# KiCad board Entrex Trapezoid Processor Board v37.kicad_pcb (continued)
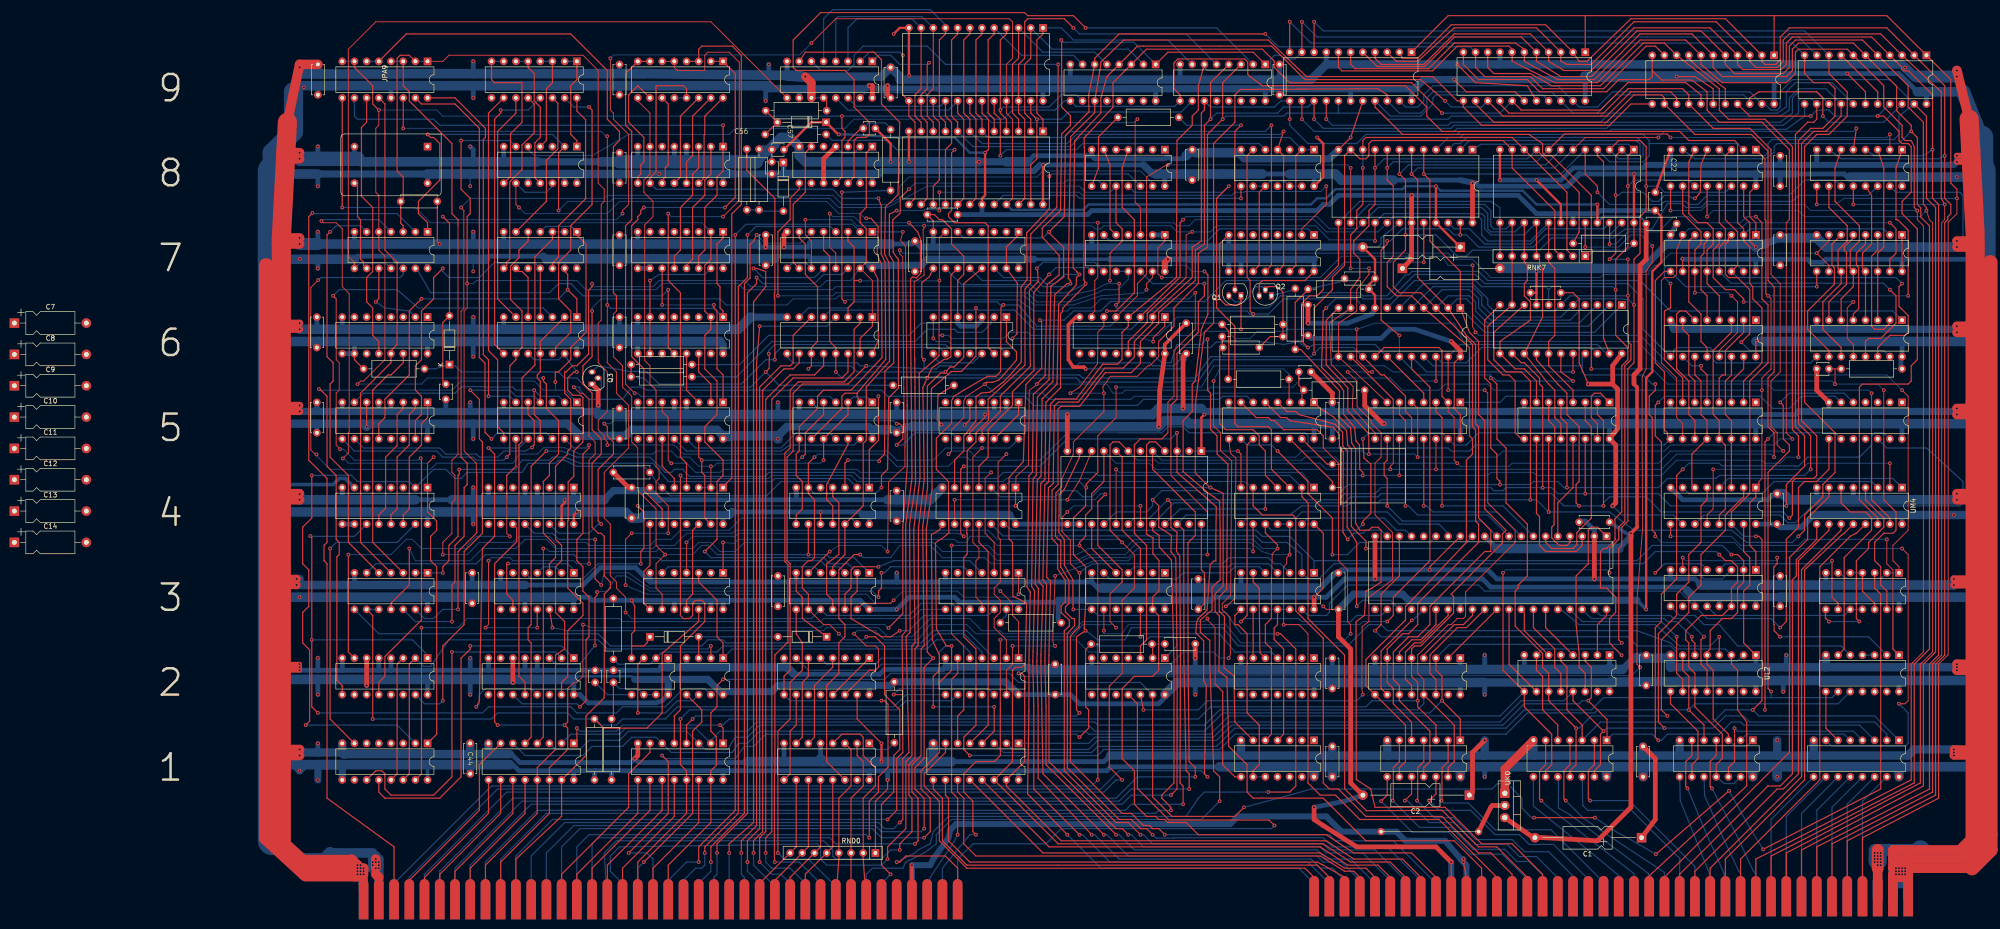
[diagram p0: board, top side]
## Routing (per net, layer and track width the routed paths; a pad name or vN(x,y) marks a point on that pad's centre or on a via; arc(x,y) is an arc through that point) (continued)
J18_9: length 96.9
  Top w0.25: J18.9 283.61,9.84 281.7,11.75 277.25,11.75 272.18,14.92 214.39,14.92 UE1.12
J18_10: length 387.4
  Top w0.25: UJ9.10 v1(268.37,188.28) ; UH9.6 246.77,174.94 246.77,169.86 245.5,168.59 245.5,166.69 242.33,163.51 242.21,134.94 UF6.4 232.17,124.78 230.87,123.48 230.87,117.83 229.88,116.84 226.93,116.84 226.89,116.88 225.63,115.28 221.34,109.6 217.03,109.6 217.02,109.61 215.98,108.57 215.92,106.5 215.64,96.01 215.59,93.71 215.59,92.34 215.19,92.01 214.78,91.62 214.37,71.93 215.15,70.96 214.86,58.43 214.79,54.91 215.02,45.4 215.02,33.34 v1(229.63,18.73)
  Bottom w0.25: UJ9.10 266.95,180.51 264.7,180.51 263.92,181.29 262.65,181.29 261.87,180.51 261.87,178.26 261.73,178.12 248.68,178.12 248.05,178.75 UH9.6 ; v1(229.63,18.73) 230.26,18.73 233.44,15.56 271.54,15.56 273.44,13.65 278.52,13.65 283.61,8.57 J18.10 ; UM9.10 371.87,185.1 271.54,185.1 v1(268.37,188.28)
J18_11: length 97.5
  Top w0.25: UE1.13 215.66,16.19 272.18,16.19 277.89,12.38 284.24,12.38 286.78,9.84 J18.11
J18_12: length 379.6
  Top w0.25: UH9.11 248.05,169.86 247.41,169.23 247.41,142.56 245.5,141.29 245.5,134.94 237.25,127.32 UF6.2 237.25,125.41 233.43,121.59 233.43,118.35 231.11,116.03 227.27,116.03 227.23,115.99 225.62,113.95 221.76,108.96 217.62,108.96 216.82,108.16 216.76,108.16 216.55,94.06 216.54,93.06 216.54,92.01 215.8,91.3 215.53,91.1 215.16,72.42 215.96,71.64 215.64,56.17 215.62,54.8 215.66,33.97 229.63,20 230.9,20 v1(232.17,18.73) ; 265.82,171.77 v1(265.82,167.96)
  Bottom w0.25: v1(265.82,167.96) 265.82,166.69 269.63,162.88 279.8,162.88 281.7,164.78 300.75,164.78 301.38,165.42 332.5,165.42 332.93,165.84 369.33,165.84 373.14,168.59 UM9.12 ; 249.31,170.5 UH9.11 ; 249.31,170.5 248.84,170.97 ; 249.31,170.5 262.65,170.5 263.92,171.77 265.82,171.77 ; J18.12 286.78,9.21 281.06,14.92 273.44,14.92 272.18,16.19 235.35,16.19 232.81,18.73 v1(232.17,18.73)
J18_13: length 296
  Top w0.25: v1(213.75,126.05) 214.11,125.69 214.11,120.94 214.14,116.05 213.22,115.13 210.84,112.62 210.3,96.58 207.32,93.19 207.32,80.41 208.04,79.69 208.13,68.46 210.99,67.04 210.7,54.38 209.94,53.66 208.68,53.66 208.04,53.02 208.04,33.97 UE1.14 217.56,16.83 272.81,16.83 278.52,13.02 286.78,13.02 289.95,9.84 J18.13 ; UJ8.20 v1(293.76,138.11)
  Bottom w0.25: v1(293.76,138.11) 291.23,138.11 290.59,138.75 287.42,138.75 286.78,138.11 277.25,138.11 273.44,134.3 252.49,134.3 248.05,129.86 247.95,129.95 228.45,129.95 226.45,127.95 220.74,127.95 218.83,126.05 v1(213.75,126.05)
J18_14: length 396.8
  Top w0.25: v1(234.71,18.73) 232.17,21.27 229.63,21.27 218.83,32.07 218.83,61.28 219.88,62.22 219.88,63.52 218.98,64.31 218.18,65.03 218.18,66.45 219.06,67.33 219.06,71.84 218.71,72.29 217.91,73.48 217.45,74.16 217.45,79.19 216.24,80.54 216.24,81.18 216.25,83.44 216.29,90.55 217.53,91.79 217.53,107.47 218.13,108.07 222.04,108.07 223.78,110.31 224.87,111.82 226.17,113.58 227.42,115.11 227.44,115.09 232.79,115.09 234.71,117.01 UF6.14 234.71,121.6 238.52,125.41 238.52,127.66 246.14,134.3 246.14,140.65 248.05,141.92 248.05,166.69 v1(249.31,167.96) 249.31,175.58 UH9.4 ; 270.9,171.77 v1(270.9,167.96)
  Bottom w0.25: J18.14 289.95,9.21 283.61,15.56 274.08,15.56 272.81,16.83 267.73,16.83 ; v1(249.31,167.96) 250.58,169.23 263.29,169.23 264.56,170.5 269.63,170.5 270.9,171.77 ; v1(234.71,18.73) 235.35,18.73 237.25,16.83 268.37,16.83 ; v1(270.9,167.96) 272.81,166.05 299.48,166.05 300.12,166.69 331.23,166.69 331.87,167.32 368.06,167.32 370.6,169.23 370.6,172.4 371.87,173.67 375.68,173.67 UM9.14
J18_15: length 364.6
  Top w0.2: v1(341.41,141.5) 341.41,138.13 340.12,136.21 340.12,115.89 339.29,114.21 339.27,104.37 339.39,82.75 338.21,67.63 338.21,54.29 v1(338.85,53.66)
  Top w0.25: J18.15 293.13,9.84 289.32,13.65 279.16,13.65 273.44,17.46 218.2,17.46 206.77,28.89 UE1.15 206.77,30.16 210.58,33.97 210.58,51.75 209.94,52.39 v1(209.31,52.39) ; UK8.20 v1(327.42,141.29)
  Bottom w0.2: v1(338.85,53.66) 337.09,51.9 274.5,51.9 209.94,51.75 v1(209.31,52.39) ; v1(341.41,141.5) 339.08,143.83 336.94,143.83 334.4,141.29 v1(327.42,141.29)
J18_16: length 423.5
  Top w0.2: 238.5,118.41 236.62,116.52 236.27,116.52 234.08,114.33 228.41,114.33 227.73,113.29 227.06,112.39 226.86,112.03 v1(227.09,110.81) 227.09,107 220.74,100.65 220.71,98.08 218.3,92.87 218.3,91.27 ; v1(220.11,110.81) 222.06,112.1 225.77,116.96 225.82,120.33 225.82,123.51 227.09,124.78 UF6.6 ; 238.5,118.43 238.5,121.58
  Top w0.25: 238.5,121.58 241.69,124.78 241.69,128.59 246.77,133.67 246.77,140.02 248.68,141.29 248.68,164.78 v1(251.86,167.96) 251.86,175.58 UH9.3 ; 218.3,91.27 217.09,89.99 217.06,86.41 217.06,86.31 217,80.97 218.12,79.94 218.08,74.62 219.81,71.7 219.79,66.95 219.08,66.24 219.07,65.19 220.45,63.81 220.96,63.81 220.98,62.35 219.45,60.66 219.45,54.31 219.47,54.29 219.47,32.7 230.26,21.91 232.81,21.91 234.71,20 235.98,20 v1(237.25,18.73)
  Bottom w0.2: v1(227.09,110.81) v1(220.11,110.81)
  Bottom w0.25: v1(237.25,18.73) 237.98,18.01 241.61,18.01 241.69,18.1 272.81,18.1 274.71,16.19 286.14,16.19 293.13,9.21 J18.16 ; v1(251.86,167.96) 252.49,168.59 264.56,168.59 265.19,169.23 275.99,169.23 ; 275.99,169.23 UJ9.16 ; 275.99,169.23 284.88,169.23 286.14,167.96 298.85,167.96 299.48,168.59 330.6,168.59 331.23,169.23 367.43,169.23 369.33,170.5 369.33,173.67 371.24,175.58 378.86,175.58 UM9.16
J18_17: length 161.7
  Top w0.25: J18.17 296.31,9.84 291.23,14.92 279.16,14.92 273.44,18.73 246.77,18.73 244.24,21.27 240.43,21.27 239.79,21.91 238.52,21.91 237.88,22.54 235.98,22.54 233.44,25.08 233.44,32.07 230.9,34.61 230.9,49.21 233.44,51.75 237.25,51.75 238.52,53.02 238.52,64.45 UF3.13 237.25,68.26 238.58,69.59 238.58,75.88 237.29,77.39 237.35,80.6 236.6,81.04 235.98,81.46 235.98,100.01 236.62,100.65 237.88,100.65 UF4.4
J18_18: length 210.5
  Top w0.2: v1(222.01,73.34) 220.11,75.25 220.11,80.18 218.37,81.92 218.37,84.94 v1(219.47,86.04) ; v1(234.71,87.31) UF4.19
  Top w0.25: v1(222.01,73.34) 222.01,72.07 221.95,62.01 221,61.13 220.11,60.04 220.11,33.97 230.9,23.18 232.81,23.18 235.35,20.64 236.62,20.64 237.25,20 238.52,20 v1(239.79,18.73)
  Bottom w0.2: v1(234.71,87.31) 220.74,87.31 v1(219.47,86.04)
  Bottom w0.25: v1(222.01,73.34) 223.28,74.36 224.74,75.25 251.86,75.25 253.12,76.52 261.38,76.52 262.65,75.25 263.92,75.25 UH3.3 ; v1(239.79,18.73) 274.08,18.73 275.35,17.46 287.42,17.46 296.31,8.57 J18.18
J18_23: length 423.4
  Top w0.25: v1(376.95,168.59) 376.95,172.4 375.68,173.67 363.62,173.67 361.71,172.4 UL9.20 ; 246.14,105.09 246.14,94.18 249.19,91.13 250.98,90.39 251.95,89.92 251.95,70.62 250.27,68.94 250.27,65.27 251.16,64.38 251.16,58.29 251.06,52.82 252.73,51.53 253.12,37.15 256.94,33.34 256.94,27.62 258.2,26.35 272.81,26.35 281.7,17.46 300.12,17.46 305.83,11.75 J18.23 ; 286.14,171.77 286.14,173.04 284.24,174.31 255.52,174.16 254.39,173.04 254.39,167.32 249.95,162.88 249.95,125.41 248.05,123.51 246.21,108.9 246.14,104.46
  Bottom w0.25: UE4.3 205.5,89.22 216.93,89.22 218.2,90.49 221.38,90.49 222.64,89.22 224.55,89.22 226.45,91.12 v1(249.31,91.12) ; v1(376.95,168.59) 378.22,167.32 389.65,167.32 UM9.20 ; UL9.20 361.71,171.77 360.44,173.04 333.77,173.04 329.96,169.23 324.88,169.23 UK9.20 320.44,173.67 295.67,173.67 294.4,172.4 294.4,170.5 293.13,169.23 288.69,169.23 286.14,171.77
J18_25: length 437.2
  Top w0.2: v1(265.82,77.15) 265.19,76.52 265.19,75.25 264.56,74.61 v1(264.56,62.55) 267.73,62.55 269.63,60.64 269.63,53.66 ; v1(110.25,78.42) 110.25,66.36
  Top w0.25: 110.25,66.36 110.25,39.05 UB1.4 ; 269.63,53.66 269.63,29.53 272.18,26.99 275.35,26.99 280.43,21.91 296.94,21.91 309,9.84 J18.25 ; UK6.18 v1(324.88,115.25) ; v1(286.14,63.18) 287.42,64.45 287.42,68.26 295.04,75.88 295.04,112.08 291.23,115.89 UJ6.18 ; UH4.12 v1(265.82,77.15)
  Bottom w0.2: v1(265.82,77.15) 262.01,77.15 260.11,77.79 257.57,79.69 234.07,79.69 231.54,77.15 223.92,77.15 221.38,75.88 204.87,75.88 202.96,77.79 193.44,77.79 191.53,79.69 152.16,79.69 150.25,77.79 147.08,77.79 145.18,79.69 142.63,79.69 141.37,78.42 134.38,78.42 133.75,77.79 111.52,77.79 110.88,78.42 v1(110.25,78.42) ; v1(286.14,63.18) 281.06,63.18 280.43,62.55 v1(264.56,62.55)
  Bottom w0.25: UH4.11 UH4.12 ; v1(324.88,115.25) 294.4,115.25 UJ6.18
J18_27: length 314.8
  Top w0.25: J18.27 312.18,10.48 307.74,14.92 305.19,14.92 297.57,22.54 281.7,22.54 275.99,28.26 274.08,28.26 272.81,29.53 272.81,59.69 267.1,65.4 267.1,84.77 266.46,85.41 260.11,85.41 258.2,87.31 UH4.6 ; v1(138.82,93.66) 138.82,64.45 139.46,63.82 140.73,63.82 141.37,64.45 141.37,66.99 142,67.63 143.27,67.63 143.91,66.99 143.91,63.18 138.82,58.1 138.82,44.77 137.56,43.5 UC1.5
  Bottom w0.2: UH4.6 256.3,92.39 224.55,92.39 223.92,93.03 206.77,93.03 206.13,92.39 175.66,92.39 174.38,93.66 157.88,93.66 157.24,93.03 139.46,93.03 v1(138.82,93.66)
J18_29: length 343.4
  Top w0.25: UB1.5 107.71,39.05 107.71,58.74 107.07,59.37 107.07,61.91 107.71,62.55 107.71,88.58 ; UH4.2 268.37,89.22 269.66,87.92 269.66,83.53 269.63,83.5 269.63,63.82 277.25,56.2 277.25,54.29 277.28,28.3 281.83,23.73 297.57,23.81 305.19,16.19 309,16.19 315.36,9.84 J18.29 ; v1(110.88,98.74) 107.71,95.57 107.71,87.95
  Bottom w0.25: UH4.2 265.82,93.66 225.82,93.66 225.19,94.3 206.13,94.3 204.87,93.03 176.29,93.03 175.02,94.3 157.24,94.3 156.4,93.45 140.73,93.45 139.46,94.72 139.46,94.93 137.56,94.93 136.92,94.3 135.65,94.3 135.65,94.3 132.48,97.47 117.24,97.47 114.06,98.74 v1(110.88,98.74)
J18_30: length 46.9
  Top w0.25: UJ1.8 286.14,26.99 v1(284.88,25.72)
  Bottom w0.25: J18.30 315.36,9.46 310.15,14.67 303.54,14.67 298.97,19.24 291.35,19.24 v1(284.88,25.72)
J18_31: length 178.3
  Top w0.25: R9.1 269.63,132.4 266.97,129.73 266.97,119.95 268.11,119.95 276.2,111.27 276.14,105.9 278.52,103.52 278.74,100.44 279.57,99.21 279.55,83.73 280.43,82.23 282.33,82.23 282.97,82.87 284.24,82.87 284.88,82.23 284.88,71.44 282.97,70.17 281.7,69.53 281.41,64.47 279.65,63.17 279.71,30.22 282.71,28.27 283.61,24.45 298.21,24.45 305.83,16.83 312.18,16.83 318.53,10.48 J18.31
  Bottom w0.25: C51.1 277.04,134.72 276.35,134.03 R9.1
J18_32: length 55.8
  Top w0.25: UJ1.6 288.69,33.97 287.42,32.7 287.42,25.97 v1(287.29,25.84)
  Bottom w0.25: v1(287.29,25.84) 292.88,20.26 299.48,20.26 304.05,15.68 310.66,15.68 313.2,13.14 315.74,13.14 318.53,10.35 J18.32
J18_34: length 48.4
  Top w0.25: UJ1.10 291.23,27.24 v1(289.83,25.84)
  Bottom w0.25: v1(289.83,25.84) 290.34,25.84 294.91,21.27 299.99,21.27 304.56,16.7 311.16,16.7 313.7,14.16 317.26,14.16 321.7,9.72 J18.34
J18_36: length 56.9
  Top w0.25: UJ1.4 293.76,33.97 292.5,32.7 292.5,25.97 v1(292.37,25.84)
  Bottom w0.25: J18.36 324.88,10.1 319.8,15.18 314.72,15.18 312.18,17.72 304.56,17.72 299.99,22.29 295.92,22.29 v1(292.37,25.84)
J18_38: length 49.5
  Top w0.25: v1(294.91,25.84) 296.31,27.24 UJ1.12
  Bottom w0.25: v1(294.91,25.84) 296.94,23.81 303.54,23.81 308.62,18.73 313.7,18.73 315.74,16.7 320.82,16.7 328.06,9.46 J18.38
J18_40: length 57.4
  Top w0.25: v1(297.45,25.84) 297.57,25.97 297.57,32.7 298.85,33.97 UJ1.2
  Bottom w0.25: J18.40 331.23,8.83 320.31,19.75 308.62,19.75 303.04,25.34 297.96,25.34 v1(297.45,25.84)
J18_42: length 33.9
  Bottom w0.25: J18.42 334.4,10.22 328.44,15.18 325.9,17.21 316.62,24.7 UK1.8
J18_44: length 43.1
  Top w0.25: UK1.6 319.17,33.34 317.89,32.07 317.89,26.23 v1(318.28,25.84)
  Bottom w0.25: J18.44 337.58,10.6 319.29,24.83 v1(318.28,25.84)
J18_45: length 493.8
  Top w0.2: v1(229.63,112.08) 229.63,105.73 225.82,101.92 225.82,96.84
  Top w0.25: v1(141.37,42.86) 140.09,41.59 UC1.4 ; UJ6.20 v1(296.31,113.35) ; v1(222.01,44.13) 221.38,44.77 221.38,60.01 v1(223.28,61.28) 222.99,61.82 223.28,66.7 223.28,74.61 220.74,77.15 220.74,84.77 223.28,87.31 223.28,90.97 v1(223.4,91.1) 223.4,91.88 225.82,94.3 225.82,96.84 ; J18.45 340.75,10.16 361.07,28.89 361.07,42.23 359.17,44.77 359.17,53.02 357.9,54.29 UL2.3
  Bottom w0.2: v1(296.31,113.35) 291.23,113.35 289.32,115.25 287.42,115.25 285.51,116.52 249.95,116.52 247.41,112.08 v1(229.63,112.08)
  Bottom w0.25: UE4.2 207.41,92.39 222.01,92.39 223.28,91.12 ; UJ6.20 297.57,117.16 302.65,117.16 305.83,120.33 328.69,120.33 UK6.20 ; v1(141.37,42.86) 142,43.5 221.38,43.5 v1(222.01,44.13) ; v1(223.28,61.28) 225.82,59.37 231.54,59.37 232.81,61.91 251.86,61.91 255.03,58.18 256.3,58.1 277.89,58.1 282.33,62.55 284.88,62.55 286.14,61.28 338.21,61.28 345.2,58.74 346.47,57.47 356.63,57.47 UL2.3
J18_46: length 35
  Bottom w0.25: UK1.10 321.83,30.67 321.83,24.32 324.37,22.8 340.63,10.6 J18.46
J18_47: length 100
  Top w0.25: J18.47 343.93,9.84 369.96,35.88 369.96,54.29 370.06,54.38 370.06,76.43 369.96,76.52 373.77,80.33 373.77,84.77 378.22,89.22 UM4.7
J18_48: length 44.2
  Top w0.25: v1(323.36,25.84) 322.98,26.23 322.98,32.07 324.25,33.34 UK1.4
  Bottom w0.25: v1(323.36,25.84) 326.91,22.29 330.47,19.75 343.93,10.86 J18.48
J18_49: length 91.4
  Top w0.25: J18.49 347.11,10.48 365.52,28.89 368.06,28.89 370.6,31.43 370.6,54.93 370.6,54.93 370.6,71.89 371.42,72.71 371.42,76.07 375.68,80.33 UM4.9
J18_50: length 39.2
  Bottom w0.25: J18.50 347.11,13.53 347.23,13.65 337.07,23.81 327.93,23.81 326.91,24.83 UK1.12
J18_51: length 90.4
  Top w0.25: UM4.10 378.22,82.23 371.87,75.88 371.87,31.43 368.69,28.26 367.43,28.26 350.28,11.11 J18.51
J18_52: length 47.5
  Top w0.25: UK1.2 329.32,33.34 328.06,32.07 328.06,26.23 v1(328.44,25.84)
  Bottom w0.25: J18.52 350.28,12.13 336.56,25.84 v1(328.44,25.84)
J18_53: length 89.4
  Top w0.25: J18.53 353.45,11.75 372.5,30.8 372.5,73.98 380.76,82.23 UM4.11
J18_54: length 26.6
  Bottom w0.25: J18.54 353.33,5.52 353.33,10.6 347.23,25.84 UL1.8
J18_55: length 89.4
  Top w0.25: J18.55 356.63,13.65 373.14,30.16 373.14,73.98 380.86,81.21 381.39,81.6 UM4.12
J18_56: length 35.4
  Top w0.25: 349.64,38.42 349.64,35.24 348.38,33.97 348.38,28.77 v1(348.76,28.38)
  Bottom w0.25: J18.56 356.38,5.65 356.38,10.6 352.31,19.75 v1(348.76,28.38)
J18_57: length 89.1
  Top w0.25: UM4.13 383.94,81.6 383.5,81.41 382.67,80.96 376.31,74.61 376.31,30.16 359.81,13.65 J18.57
J18_58: length 27.1
  Bottom w0.25: J18.58 359.81,10.73 359.42,11.11 355.87,18.73 352.31,26.86 UL1.10
J18_59: length 392.2
  Top w0.2: v1(396.63,148.91) 396.63,147 397.9,145.73 397.9,56.83 395.67,54.59
  Top w0.25: J18.59 362.98,13.65 366.79,15.56 395.37,30.16 395.37,54.29 395.68,54.61 ; UJ9.7 275.99,178.75 276.7,178.04 295.59,178.04 300.75,183.2 311.55,183.2 312.18,182.56 UK9.7 312.18,180.02 321.07,175.58 329.96,175.58 338.85,184.47 348.38,184.47 UL9.7 351.55,179.39 356,175.58 369.33,175.58 371.24,177.48 371.24,181.93 371.87,182.56 382.03,182.56 UM9.7 389.65,174.94 389.65,170.5 393.46,166.69 393.46,164.15 394.1,163.51 395.37,163.51 396,162.24 396,149.54 v1(396.63,148.91) ; UL8.9 v1(345.2,148.91)
  Bottom w0.2: v1(345.2,148.91) 351.55,148.91 352.82,150.18 373.14,150.18 374.41,148.91 v1(396.63,148.91)
J18_60: length 36
  Top w0.25: UL1.4 354.73,35.24 353.45,33.97 353.45,28.77 v1(353.84,28.38)
  Bottom w0.25: v1(353.84,28.38) 358.92,18.73 362.47,11.11 362.98,10.6 J18.60
J18_61: length 384.2
  Top w0.25: J18.61 366.15,14.29 396,29.53 396,54.29 399.18,57.47 399.18,145.73 397.36,147.55 397.36,149.45 396.63,150.18 396.63,164.15 v1(395.37,165.42) 395.37,166.69 392.33,169.72 392.33,174.8 UM9.6 383.3,183.83 371.87,183.83 370.6,182.56 370.6,178.12 369.33,176.85 356,176.85 354.09,178.75 UL9.6 349.64,185.74 338.85,185.74 329.32,176.21 321.7,176.21 314.72,180.02 UK9.6 314.72,182.56 312.81,183.83 300.12,183.83 294.77,178.49 279.43,178.49 278.52,179.39 278.52,181.93
  Bottom w0.25: UL8.7 350.28,159.7 364.88,159.7 366.79,160.97 366.79,162.24 367.43,162.88 392.82,162.88 v1(395.37,165.42)
J18_62: length 29.1
  Bottom w0.25: UM1.9 366.15,21.91 J18.62
J18_63: length 382.9
  Top w0.2: v1(398.54,148.91) 399.18,147 399.81,146.37 399.81,56.83 397.57,54.59
  Top w0.25: v1(398.54,148.91) 398.54,149.54 397.9,150.18 397.9,167.32 394.73,170.5 394.73,174.94 UM9.5 385.2,184.47 371.24,184.47 369.96,183.2 369.96,178.75 368.69,177.48 358.54,177.48 356.63,179.39 UL9.5 351.55,186.37 338.21,186.37 328.69,176.85 322.34,176.85 317.26,180.02 UK9.5 314.08,185.1 300.12,185.1 293.95,178.94 284.06,178.94 UJ9.5 ; J18.63 369.33,14.92 397.27,29.53 397.27,54.29 397.27,54.29 397.57,54.59 ; UL8.12 v1(352.82,147.64)
  Bottom w0.2: v1(352.82,147.64) 354.09,148.91 371.87,148.91 373.14,147.64 397.27,147.64 v1(398.54,148.91)
J18_64: length 28.8
  Bottom w0.25: J18.64 369.33,22.54 UM1.10
J18_65: length 354.6
  Top w0.25: UM9.21 398.54,168.59 398.54,151.45 400.44,149.54 400.44,56.83 397.9,54.29 397.9,28.89 372.5,15.56 J18.65
  Bottom w0.25: UL8.4 356.63,160.34 364.88,160.34 365.52,160.97 365.52,162.88 366.37,163.72 391.76,163.72 392.82,164.78 392.82,168.59 UM9.21 390.92,176.21 370.6,176.21 368.06,173.67 368.06,170.5 367.43,169.86 366.15,169.86 364.88,171.13 UL9.21 361.71,173.67 333.13,173.67 329.96,170.5 326.15,170.5 UK9.21 321.7,174.94 295.67,174.94 293.76,173.04 293.76,171.77 292.5,170.5 289.95,170.5 UJ9.21
J18_66: length 28.6
  Bottom w0.25: UM1.11 372.5,23.18 J18.66
J18_67: length 341.7
  Top w0.25: J18.67 375.68,16.19 399.18,28.26 399.18,54.3 401.08,56.2 401.08,56.2 401.08,150.18 399.81,151.45 v1(399.81,161.61) 399.81,172.4 399.81,172.4 399.81,173.04 394.82,178.03 393.79,178.03 393.37,178.45 393.37,178.84 UM9.4 387.11,185.1 370.6,185.1 369.33,183.83 369.33,179.39 368.25,178.3 360.25,178.3 359.17,179.39 UL9.4 353.45,187.01 337.58,187.01 328.69,178.12 322.98,178.12 319.8,180.02 UK9.4 315.99,185.74 300.12,185.74 293.76,179.39 284.88,179.39 283.61,180.66 UJ9.4
  Bottom w0.25: v1(399.81,161.61) 397.9,160.34 387.75,160.34 UM8.4
J18_68: length 28.3
  Bottom w0.25: UM1.12 375.68,23.81 J18.68
J18_69: length 347
  Top w0.2: v1(402.35,150.18) 402.35,147 401.71,146.37 401.71,56.2 400.11,54.59
  Top w0.25: 400.11,54.59 399.81,54.3 399.81,27.62 378.86,16.83 J18.69 ; UM8.12 v1(383.3,150.18) ; 286.14,181.93 288.05,180.02 292.5,180.02 300.12,187.01 317.26,187.01 UK9.3 322.34,180.02 323.61,179.39 328.69,179.39 337.58,188.28 354.73,188.28 UL9.3 361.71,180.02 362.98,178.75 367.43,178.75 368.69,180.02 368.69,184.47 369.96,185.74 389.01,185.74 UM9.3 401.62,173.67 401.62,151.45 v1(402.35,150.18)
  Bottom w0.2: v1(402.35,150.18) v1(383.3,150.18)
J18_70: length 28
  Bottom w0.25: J18.70 378.86,24.45 UM1.13
J18_71: length 347.5
  Top w0.25: J18.71 382.03,17.46 400.44,26.99 400.44,54.29 402.35,56.2 402.35,56.2 402.35,146.37 402.99,147 402.99,147.64 403.62,148.27 403.62,150.18 402.35,151.45 v1(402.35,160.34) 402.35,174.94 UM9.2 390.29,187.01 369.96,187.01 368.06,185.1 368.06,180.31 367.13,179.39 364.88,179.39 364.25,180.02 UL9.2 356.63,188.91 336.94,188.91 327.76,180.02 326.15,180.02 UK9.2 319.17,187.64 299.48,187.64 292.5,180.66 289.32,180.66 UJ9.2
  Bottom w0.25: UM8.7 380.76,159.7 401.08,159.7 v1(402.35,160.34)
J18_72: length 27.8
  Bottom w0.25: UM1.14 382.03,25.08 J18.72
J18_73: length 352.9
  Top w0.2: 401.08,54.29 403.08,56.29 403.08,146.46 404.89,148.27 v1(404.89,151.45)
  Top w0.25: 327.42,189.55 390.29,189.55 UM9.1 403.62,176.21 403.62,154.62 404.89,153.35 v1(404.89,151.45) ; 327.42,189.55 UK9.1 ; 327.42,189.55 298.85,189.55 UJ9.1 ; 366.79,189.55 UL9.1 ; 401.08,54.29 401.08,26.35 385.2,18.1 J18.73 ; UM8.9 v1(375.68,150.18)
  Bottom w0.2: v1(375.68,150.18) 379.49,150.18 381.39,151.45 v1(404.89,151.45)
J18_74: length 27.5
  Bottom w0.25: J18.74 385.2,25.72 UM1.15
JPA9_1: length 288.4
  Top w0.2: v1(201.69,99.38) 199.78,97.47 199.78,79.69 201.06,78.42 201.06,76.52 200.42,75.88 200.42,68.26 201.69,66.99 UE3.11 ; JPA9.1 89.29,180.02 90.56,181.29 118.5,181.29 121.68,178.12 121.68,154.62 122.95,153.35 122.95,150.81 122.31,150.18 122.31,126.05 121.68,125.41 121.68,117.16 123.59,115.25 123.59,107 121.68,105.09 121.68,103.19 122.95,101.92 122.95,101.28 123.59,100.65 v1(123.59,100.01)
  Top w0.25: JPA9.2 82.31,181.29 80.41,181.29 79.77,180.66 79.77,157.16 81.04,155.89 81.04,151.32 C64.1 80.53,146.24 81.04,145.73 UA7.3
  Bottom w0.2: 208.04,100.01 207.41,99.38 v1(201.69,99.38) 194.07,99.38 191.53,96.84 183.91,96.84 182,98.74 161.69,98.74 161.05,98.11 139.46,98.11 137.56,100.01 v1(123.59,100.01)
  Bottom w0.25: JPA9.2 JPA9.1 ; UE5.14 208.04,100.01
JPA9_4: length 203.6
  Top w0.2: 92.47,145.73 92.47,98.07 91.23,96.84 91.2,96.84 91.2,94.3 91.84,93.66 91.84,88.58 91.2,87.95 91.2,81.6 89.29,79.69 v1(89.29,77.15)
  Top w0.25: 92.47,145.73 92.47,147 91.2,148.27 91.2,162.88 82.31,171.77 82.31,173.67 81.04,174.94 JPA9.3
  Bottom w0.2: v1(89.29,77.15) 94.38,77.15 96.91,79.69 103.9,79.69 105.17,80.96 111.52,80.96 112.79,79.69 119.14,79.69 119.78,79.06 132.47,79.06 133.75,80.33 136.92,80.33 138.82,82.23 148.99,82.23 151.53,84.77
  Bottom w0.25: UD4.13 174.38,84.77 151.53,84.77 ; JPA9.4 JPA9.3
JPA9_5: length 228
  Top w0.2: UC3.9 135.01,68.9 133.75,70.17 133.75,75.25 v1(135.65,77.15) 133.75,79.06 133.75,86.68 129.94,90.49 129.94,99.38 128.66,100.65 128.66,110.17 126.76,112.08 126.76,116.52 124.85,118.43 124.85,127.32 125.49,127.95 125.49,128.59
  Top w0.25: JPA9.5 81.68,185.74 115.97,185.74 123.59,178.12 123.59,167.96 126.12,165.42 126.12,163.51 124.85,162.24 124.85,131.76 125.49,131.13 125.49,128.59 ; UD4.9 v1(165.5,77.15)
  Bottom w0.2: v1(135.65,77.15) 141.37,77.15 143.27,79.06 144.54,79.06 146.44,77.15
  Bottom w0.25: UD3.1 175.02,76.52 169.94,76.52 169.31,77.15 146.44,77.15 ; JPA9.6 JPA9.5
JPA9_7: length 570.4
  Top w0.2: v1(71.52,112.71) 72.15,113.35 72.78,113.35 77.23,117.79 77.23,139.38 75.96,140.65 UA7.5 75.96,152.08 75.33,152.72 75.33,166.05 75.96,166.69 v1(75.96,169.86)
  Top w0.25: 242.96,171.77 242.96,173.04 241.69,174.31 241.69,179.71 242.5,180.51 256.44,180.51 257.08,179.88 257.08,177.34 257.57,176.85 260.11,174.94 289.95,174.94 294.4,170.5 294.4,168.59 297.57,165.42 347.11,165.42 349.01,163.51 358.54,163.51 359.17,162.88 359.17,146.37 360.44,145.1 UL7.2 360.44,142.56 361.71,141.29 361.71,133.67 362.35,133.03 362.35,130.49 364.25,128.59 364.25,117.16 360.43,113.33 UL5.2 ; JPA9.7 70.88,178.75 74.69,174.94 74.69,171.13 v1(75.96,169.86) ; v1(110.25,113.98) 110.25,113.35 110.88,112.71 110.88,107.63 113.43,105.09 113.43,98.11 111.52,96.2 111.52,93.66 110.25,92.39 110.25,81.6 112.79,79.06 112.79,76.52 111.52,75.25 UB3.3 ; v1(172.48,168.59) 172.48,166.05 173.12,165.42 173.12,164.15 172.48,163.51 172.48,155.89 UD8.11
  Bottom w0.2: v1(71.52,112.71) 84.85,112.71 86.12,113.98 v1(110.25,113.98) ; 150.89,168.59 89.29,168.59 88.03,169.86 v1(75.96,169.86)
  Bottom w0.25: JPA9.8 JPA9.7 ; 150.89,168.59 v1(172.48,168.59) 203.59,168.59 204.23,167.96 206.13,167.96 208.04,169.86 216.93,169.86 218.83,171.77 UF9.9 221.23,170.64 241.84,170.64 242.96,171.77 ; UM7.2 389.65,145.1 361.71,145.1 UL7.2
JPA9_9: length 252.1
  Top w0.25: JPA9.9 v1(68.34,149.54) ; UC7.2 145.18,138.75 143.91,137.48 143.91,127.95 UC6.2 145.18,124.14 143.91,122.87 143.91,115.89 146.44,113.35 146.44,106.36 143.91,103.82 143.91,100.65 147.72,96.84 147.72,93.66 146.44,92.39 146.44,80.33 v1(143.91,77.79) ; UD3.2 175.66,69.53 174.38,68.26 174.38,63.82 180.74,60.01 182.64,60.01 v1(184.54,61.28)
  Bottom w0.2: v1(68.34,149.54) 83.58,149.54 86.75,146.37 143.27,146.37 144.4,145.24
  Bottom w0.25: UE3.12 202.96,64.45 189.62,64.45 186.45,61.28 v1(184.54,61.28) ; UD3.2 173.75,75.25 169.94,75.25 168.67,76.52 145.18,76.52 v1(143.91,77.79) ; UC7.2 144.4,145.24
JPA9_10: length 114.7
  Top w0.25: v1(147.72,166.69) UC8.1 147.72,157.16 146.44,155.89 146.44,152.08 143.91,149.54 143.91,140.65 142.63,139.38 UC7.14